# Allegro board 8880F5-0824_updates.brd (continued)
## Routing (per net, layer and track width the routed paths; a pad name or vN(x,y) marks a point on that pad's centre or on a via; arc(x,y) is an arc through that point) (continued)
; SITE2.G2 329.33,241.81 ; SITE2.G2 328.85,241.33 ; D111.A12 394.51,373.38 ; D111.A12 393.7,374.19 ; D111.A12 392.89,373.38 ; D111.A12 393.7,372.57 ; D318.A16 198.83,66.04 ; D318.A16 197.41,66.04 ; D318.A16 198.12,66.75 ; D318.A16 198.12,65.33 ; 124.46,95.71 D129.A16 ; D129.A16 124.46,97.33 ; D129.A16 125.27,96.52 ; D129.A16 123.65,96.52 ; 410.77,88.9 D305.B13 ; D305.B13 412.19,88.9 ; D305.B13 411.48,88.19 ; D305.B13 411.48,89.61 ; 240.49,342.9 CSDPS425.B14 ; CSDPS425.B14 242.11,342.9 ; CSDPS425.B14 241.3,342.09 ; CSDPS425.B14 241.3,343.71 ; 177.8,65.33 D318.A8 ; D318.A8 178.51,66.04 ; D318.A8 177.09,66.04 ; D318.A8 177.8,66.75 ; 185.42,380.19 D431.B7 ; D431.B7 184.61,381 ; D431.B7 186.23,381 ; D431.B7 185.42,381.81 ; D128.A15 48.26,33.83 ; D128.A15 48.26,32.21 ; D128.A15 49.07,33.02 ; D128.A15 47.45,33.02 ; D108.B15 416.56,38.91 ; D108.B15 415.75,38.1 ; D108.B15 416.56,37.29 ; D108.B15 417.37,38.1 ; CSDPS425.C5 264.16,341.17 ; CSDPS425.C5 264.16,339.55 ; CSDPS425.C5 263.35,340.36 ; CSDPS425.C5 264.97,340.36 ; 159.21,370.84 D231.B17 ; D231.B17 160.02,370.03 ; D231.B17 160.02,371.65 ; D231.B17 160.83,370.84 ; D431.A17 160.83,386.08 ; D431.A17 160.02,386.89 ; D431.A17 160.02,385.27 ; D431.A17 159.21,386.08 ; D102.B5 318.31,78.74 ; D102.B5 317.5,79.55 ; D102.B5 316.69,78.74 ; D102.B5 317.5,77.93 ; 401.32,390.35 D112.B9 ; D112.B9 402.13,391.16 ; D112.B9 400.51,391.16 ; D112.B9 401.32,391.97 ; 174.45,370.84 D231.B11 ; D231.B11 175.26,371.65 ; D231.B11 176.07,370.84 ; D231.B11 175.26,370.03 ; 110.95,78.74 D130.B11 ; D130.B11 112.57,78.74 ; D130.B11 111.76,79.55 ; D130.B11 111.76,77.93 ; 105.87,33.02 D132.A9 ; D132.A9 106.68,32.21 ; D132.A9 107.49,33.02 ; D132.A9 106.68,33.83 ; 248.21,68.58 D322.B7 ; D322.B7 249.63,68.58 ; D322.B7 248.92,67.87 ; D322.B7 248.92,69.29 ; 332.74,37.29 D104.B11 ; D104.B11 333.55,38.1 ; D104.B11 332.74,38.91 ; D104.B11 331.93,38.1 ; 386.08,329.39 D109.B15 ; D109.B15 385.27,330.2 ; D109.B15 386.08,331.01 ; D109.B15 386.89,330.2 ; D112.B7 407.21,391.16 ; D112.B7 406.4,390.35 ; D112.B7 405.59,391.16 ; D112.B7 406.4,391.97 ; 194.77,386.08 D431.A3 ; D431.A3 195.58,386.89 ; D431.A3 195.58,385.27 ; D431.A3 196.39,386.08 ; 334.47,388.62 D116.B6 ; D116.B6 336.09,388.62 ; D116.B6 335.28,389.43 ; D116.B6 335.28,387.81 ; D130.A2 88.9,77.01 ; D130.A2 88.9,75.39 ; D130.A2 88.09,76.2 ; D130.A2 89.71,76.2 ; 306.53,78.74 D102.B1 ; D102.B1 307.34,79.55 ; D102.B1 307.34,77.93 ; D102.B1 308.15,78.74 ; 307.34,83.11 D301.A1 ; D301.A1 308.05,83.82 ; D301.A1 307.34,84.53 ; D301.A1 306.63,83.82 ; D113.A4 341.17,332.74 ; D113.A4 340.36,333.55 ; D113.A4 339.55,332.74 ; D113.A4 340.36,331.93 ; 264.16,77.93 D122.B13 ; D122.B13 264.97,78.74 ; D122.B13 264.16,79.55 ; D122.B13 263.35,78.74 ; D109.A9 401.32,336.09 ; D109.A9 402.13,335.28 ; D109.A9 400.51,335.28 ; D109.A9 401.32,334.47 ; D129.B3 92.25,99.06 ; D129.B3 91.44,98.25 ; D129.B3 90.63,99.06 ; D129.B3 91.44,99.87 ; 253.33,180.85 SITE3.G6 ; SITE3.G6 253.81,181.33 ; SITE3.G6 252.85,181.33 ; SITE3.G6 253.33,181.81 ; 421.64,390.35 D112.B1 ; D112.B1 421.64,391.97 ; D112.B1 422.45,391.16 ; D112.B1 420.83,391.16 ; 261.62,60.15 D123.B12 ; D123.B12 260.81,60.96 ; D123.B12 262.43,60.96 ; D123.B12 261.62,61.77 ; 179.53,78.74 D118.B9 ; D118.B9 180.34,77.93 ; D118.B9 180.34,79.55 ; D118.B9 181.15,78.74 ; D321.B9 254,89.61 ; D321.B9 253.29,88.9 ; D321.B9 254,88.19 ; D321.B9 254.71,88.9 ; D104.B8 325.12,41.45 ; D104.B8 324.31,40.64 ; D104.B8 325.12,39.83 ; D104.B8 325.93,40.64 ; D123.A11 259.89,53.34 ; D123.A11 259.08,52.53 ; D123.A11 259.08,54.15 ; D123.A11 258.27,53.34 ; D321.B6 246.38,92.15 ; D321.B6 246.38,90.73 ; D321.B6 245.67,91.44 ; D321.B6 247.09,91.44 ; D127.A1 12.7,54.15 ; D127.A1 12.7,52.53 ; D127.A1 13.51,53.34 ; D127.A1 11.89,53.34 ; 406.4,62.79 D306.A11 ; D306.A11 405.69,63.5 ; D306.A11 407.11,63.5 ; D306.A11 406.4,64.21 ; D112.A12 393.7,394.51 ; D112.A12 394.51,393.7 ; D112.A12 393.7,392.89 ; D112.A12 392.89,393.7 ; D132.A14 119.38,36.37 ; D132.A14 119.38,34.75 ; D132.A14 120.19,35.56 ; D132.A14 118.57,35.56 ; D127.A16 50.8,56.69 ; D127.A16 50.8,55.07 ; D127.A16 51.61,55.88 ; D127.A16 49.99,55.88 ; 382.73,353.06 D110.A16 ; D110.A16 383.54,352.25 ; D110.A16 384.35,353.06 ; D110.A16 383.54,353.87 ; D111.A15 386.08,376.73 ; D111.A15 385.27,375.92 ; D111.A15 386.08,375.11 ; D111.A15 386.89,375.92 ; D120.B13 191.31,38.1 ; D120.B13 189.69,38.1 ; D120.B13 190.5,38.91 ; D120.B13 190.5,37.29 ; D110.B15 386.89,350.52 ; D110.B15 386.08,351.33 ; D110.B15 385.27,350.52 ; D110.B15 386.08,349.71 ; 386.08,83.11 D305.A3 ; D305.A3 386.79,83.82 ; D305.A3 385.37,83.82 ; D305.A3 386.08,84.53 ; 111.76,57.61 D131.B11 ; D131.B11 110.95,58.42 ; D131.B11 111.76,59.23 ; D131.B11 112.57,58.42 ; 19.51,81.28 D126.B4 ; D126.B4 20.32,80.47 ; D126.B4 20.32,82.09 ; D126.B4 21.13,81.28 ; D301.A2 309.88,87.07 ; D301.A2 310.59,86.36 ; D301.A2 309.17,86.36 ; D301.A2 309.88,85.65 ; 177.8,34.75 D120.A8 ; D120.A8 177.8,36.37 ; D120.A8 178.61,35.56 ; D120.A8 176.99,35.56 ; CSDPS425.B4 266.7,343.71 ; CSDPS425.B4 266.7,342.09 ; CSDPS425.B4 265.89,342.9 ; CSDPS425.B4 267.51,342.9 ; D102.B4 314.96,82.09 ; D102.B4 314.96,80.47 ; D102.B4 314.15,81.28 ; D102.B4 315.77,81.28 ; 332.74,334.47 D113.A7 ; D113.A7 331.93,335.28 ; D113.A7 333.55,335.28 ; D113.A7 332.74,336.09 ; 86.36,98.25 D129.B1 ; D129.B1 86.36,99.87 ; D129.B1 85.55,99.06 ; D129.B1 87.17,99.06 ; D111.A1 421.64,376.73 ; D111.A1 420.83,375.92 ; D111.A1 422.45,375.92 ; D111.A1 421.64,375.11 ; 248.33,180.85 SITE3.G1 ; SITE3.G1 248.33,181.81 ; SITE3.G1 247.85,181.33 ; SITE3.G1 248.81,181.33 ; 116.84,52.53 D131.A13 ; D131.A13 117.65,53.34 ; D131.A13 116.84,54.15 ; D131.A13 116.03,53.34 ; 266.7,39.83 D124.B14 ; D124.B14 265.89,40.64 ; D124.B14 266.7,41.45 ; D124.B14 267.51,40.64 ; 98.25,35.56 D132.A6 ; D132.A6 99.06,36.37 ; D132.A6 99.87,35.56 ; D132.A6 99.06,34.75 ; 398.78,331.93 D109.A10 ; D109.A10 399.59,332.74 ; D109.A10 398.78,333.55 ; D109.A10 397.97,332.74 ; 263.35,58.42 D123.B13 ; D123.B13 264.97,58.42 ; D123.B13 264.16,59.23 ; D123.B13 264.16,57.61 ; D102.A10 330.2,77.01 ; D102.A10 330.2,75.39 ; D102.A10 331.01,76.2 ; D102.A10 329.39,76.2 ; 314.96,392.89 D116.A14 ; D116.A14 314.96,394.51 ; D116.A14 314.15,393.7 ; D116.A14 315.77,393.7 ; D317.A7 175.26,84.53 ; D317.A7 174.55,83.82 ; D317.A7 175.26,83.11 ; D317.A7 175.97,83.82 ; 34.75,81.28 D126.B10 ; D126.B10 35.56,82.09 ; D126.B10 36.37,81.28 ; D126.B10 35.56,80.47 ; D110.A6 408.94,353.87 ; D110.A6 408.13,353.06 ; D110.A6 409.75,353.06 ; D110.A6 408.94,352.25 ; 335.28,70.41 D302.B12 ; D302.B12 334.57,71.12 ; D302.B12 335.28,71.83 ; D302.B12 335.99,71.12 ; 236.22,90.73 D321.B2 ; D321.B2 236.22,92.15 ; D321.B2 236.93,91.44 ; D321.B2 235.51,91.44 ; D112.B4 414.02,389.43 ; D112.B4 413.21,388.62 ; D112.B4 414.83,388.62 ; D112.B4 414.02,387.81 ; CSDPS429.B4 193.85,342.9 ; CSDPS429.B4 193.04,342.09 ; CSDPS429.B4 192.23,342.9 ; CSDPS429.B4 193.04,343.71 ; 167.64,382.73 D431.A14 ; D431.A14 166.83,383.54 ; D431.A14 167.64,384.35 ; D431.A14 168.45,383.54 ; 393.7,80.47 D106.B6 ; D106.B6 394.51,81.28 ; D106.B6 393.7,82.09 ; D106.B6 392.89,81.28 ; D112.A5 411.48,397.05 ; D112.A5 412.29,396.24 ; D112.A5 410.67,396.24 ; D112.A5 411.48,395.43 ; D104.B3 312.42,38.91 ; D104.B3 312.42,37.29 ; D104.B3 311.61,38.1 ; D104.B3 313.23,38.1 ; D125.B11 38.1,99.87 ; D125.B11 37.29,99.06 ; D125.B11 38.1,98.25 ; D125.B11 38.91,99.06 ; D113.A10 325.12,333.55 ; D113.A10 325.93,332.74 ; D113.A10 325.12,331.93 ; D113.A10 324.31,332.74 ; D115.B3 343.71,370.84 ; D115.B3 342.9,370.03 ; D115.B3 342.09,370.84 ; D115.B3 342.9,371.65 ; 312.42,395.43 D116.A15 ; D116.A15 311.61,396.24 ; D116.A15 312.42,397.05 ; D116.A15 313.23,396.24 ; 408.23,66.04 D306.A12 ; D306.A12 409.65,66.04 ; D306.A12 408.94,66.75 ; D306.A12 408.94,65.33 ; D118.B14 193.04,82.09 ; D118.B14 192.23,81.28 ; D118.B14 193.04,80.47 ; D118.B14 193.85,81.28 ; 340.36,75.39 D102.A14 ; D102.A14 340.36,77.01 ; D102.A14 341.17,76.2 ; D102.A14 339.55,76.2 ; 410.67,33.02 D108.A13 ; D108.A13 412.29,33.02 ; D108.A13 411.48,32.21 ; D108.A13 411.48,33.83 ; D126.B15 49.07,78.74 ; D126.B15 47.45,78.74 ; D126.B15 48.26,79.55 ; D126.B15 48.26,77.93 ; D114.A15 313.23,355.6 ; D114.A15 311.61,355.6 ; D114.A15 312.42,354.79 ; D114.A15 312.42,356.41 ; D128.B6 25.4,41.45 ; D128.B6 26.21,40.64 ; D128.B6 24.59,40.64 ; D128.B6 25.4,39.83 ; 243.84,37.29 D124.B5 ; D124.B5 243.03,38.1 ; D124.B5 243.84,38.91 ; D124.B5 244.65,38.1 ; 309.07,332.74 D113.A16 ; D113.A16 309.88,331.93 ; D113.A16 310.69,332.74 ; D113.A16 309.88,333.55 ; D109.B13 391.97,330.2 ; D109.B13 390.35,330.2 ; D109.B13 391.16,331.01 ; D109.B13 391.16,329.39 ; D103.A8 325.93,55.88 ; D103.A8 325.12,55.07 ; D103.A8 325.12,56.69 ; D103.A8 324.31,55.88 ; D127.A6 26.21,55.88 ; D127.A6 25.4,56.69 ; D127.A6 24.59,55.88 ; D127.A6 25.4,55.07 ; 161.85,71.12 D318.B2 ; D318.B2 162.56,71.83 ; D318.B2 163.27,71.12 ; D318.B2 162.56,70.41 ; 247.85,247.93 SITE1.G7 ; SITE1.G7 248.81,247.93 ; SITE1.G7 248.33,248.41 ; SITE1.G7 248.33,247.45 ; D120.A3 165.1,33.83 ; D120.A3 164.29,33.02 ; D120.A3 165.1,32.21 ; D120.A3 165.91,33.02 ; D115.B12 320.04,369.11 ; D115.B12 320.04,367.49 ; D115.B12 319.23,368.3 ; D115.B12 320.85,368.3 ; D115.B5 337.82,371.65 ; D115.B5 338.63,370.84 ; D115.B5 337.82,370.03 ; D115.B5 337.01,370.84 ; 386.08,354.79 D110.A15 ; D110.A15 386.08,356.41 ; D110.A15 386.89,355.6 ; D110.A15 385.27,355.6 ; 403.15,71.12 D306.B10 ; D306.B10 403.86,70.41 ; D306.B10 403.86,71.83 ; D306.B10 404.57,71.12 ; DPS3.C01 233.68,19.86 ; DPS3.C01 232.87,19.05 ; DPS3.C01 234.49,19.05 ; DPS3.C01 233.68,18.24 ; D102.A16 345.44,77.01 ; D102.A16 346.25,76.2 ; D102.A16 344.63,76.2 ; D102.A16 345.44,75.39 ; D128.B3 17.78,38.91 ; D128.B3 17.78,37.29 ; D128.B3 18.59,38.1 ; D128.B3 16.97,38.1 ; 342.9,375.11 D115.A3 ; D115.A3 343.71,375.92 ; D115.A3 342.09,375.92 ; D115.A3 342.9,376.73 ; D108.B12 408.94,41.45 ; D108.B12 408.94,39.83 ; D108.B12 409.75,40.64 ; D108.B12 408.13,40.64 ; SITE3.G20 252.63,186.91 ; SITE3.G20 253.11,186.43 ; SITE3.G20 252.63,185.95 ; SITE3.G20 252.15,186.43 ; 406.4,375.11 D111.A7 ; D111.A7 407.21,375.92 ; D111.A7 406.4,376.73 ; D111.A7 405.59,375.92 ; D317.B9 180.34,89.61 ; D317.B9 181.05,88.9 ; D317.B9 180.34,88.19 ; D317.B9 179.63,88.9 ; 311.61,33.02 D104.A3 ; D104.A3 312.42,33.83 ; D104.A3 312.42,32.21 ; D104.A3 313.23,33.02 ; 235.41,35.56 D124.A2 ; D124.A2 236.22,36.37 ; D124.A2 236.22,34.75 ; D124.A2 237.03,35.56 ; 386.08,57.61 D107.B3 ; D107.B3 386.89,58.42 ; D107.B3 386.08,59.23 ; D107.B3 385.27,58.42 ; 393.7,65.33 D306.A6 ; D306.A6 392.99,66.04 ; D306.A6 394.41,66.04 ; D306.A6 393.7,66.75 ; 382.73,55.88 D107.A2 ; D107.A2 384.35,55.88 ; D107.A2 383.54,55.07 ; D107.A2 383.54,56.69 ; 419.1,331.93 D109.A2 ; D109.A2 419.91,332.74 ; D109.A2 419.1,333.55 ; D109.A2 418.29,332.74 ; 406.4,52.53 D107.A11 ; D107.A11 407.21,53.34 ; D107.A11 406.4,54.15 ; D107.A11 405.59,53.34 ; D123.B15 269.24,59.23 ; D123.B15 268.43,58.42 ; D123.B15 269.24,57.61 ; D123.B15 270.05,58.42 ; CSDPS225.C1 274.32,331.01 ; CSDPS225.C1 274.32,329.39 ; CSDPS225.C1 275.13,330.2 ; CSDPS225.C1 273.51,330.2 ; D118.A13 191.31,73.66 ; D118.A13 190.5,72.85 ; D118.A13 190.5,74.47 ; D118.A13 189.69,73.66 ; 40.64,39.83 D128.B12 ; D128.B12 41.45,40.64 ; D128.B12 39.83,40.64 ; D128.B12 40.64,41.45 ; D124.A4 242.11,35.56 ; D124.A4 240.49,35.56 ; D124.A4 241.3,36.37 ; D124.A4 241.3,34.75 ; 243.03,53.34 D123.A5 ; D123.A5 243.84,54.15 ; D123.A5 244.65,53.34 ; D123.A5 243.84,52.53 ; D119.A4 168.45,55.88 ; D119.A4 166.83,55.88 ; D119.A4 167.64,56.69 ; D119.A4 167.64,55.07 ; D103.B9 327.66,59.23 ; D103.B9 326.85,58.42 ; D103.B9 328.47,58.42 ; D103.B9 327.66,57.61 ; D124.B8 252.27,40.64 ; D124.B8 250.65,40.64 ; D124.B8 251.46,41.45 ; D124.B8 251.46,39.83 ; 42.37,73.66 D126.A13 ; D126.A13 43.18,74.47 ; D126.A13 43.99,73.66 ; D126.A13 43.18,72.85 ; D120.A6 173.53,35.56 ; D120.A6 171.91,35.56 ; D120.A6 172.72,34.75 ; D120.A6 172.72,36.37 ; 400.51,330.2 D109.B9 ; D109.B9 402.13,330.2 ; D109.B9 401.32,331.01 ; D109.B9 401.32,329.39 ; 44.91,81.28 D126.B14 ; D126.B14 46.53,81.28 ; D126.B14 45.72,82.09 ; D126.B14 45.72,80.47 ; 398.78,60.15 D107.B8 ; D107.B8 399.59,60.96 ; D107.B8 397.97,60.96 ; D107.B8 398.78,61.77 ; 415.75,19.05 DPS1.C15 ; DPS1.C15 416.56,18.24 ; DPS1.C15 417.37,19.05 ; DPS1.C15 416.56,19.86 ; D123.A1 234.49,53.34 ; D123.A1 233.68,54.15 ; D123.A1 232.87,53.34 ; D123.A1 233.68,52.53 ; 414.02,90.73 D305.B14 ; D305.B14 414.73,91.44 ; D305.B14 414.02,92.15 ; D305.B14 413.31,91.44 ; 309.07,55.88 D103.A2 ; D103.A2 309.88,56.69 ; D103.A2 310.69,55.88 ; D103.A2 309.88,55.07 ; 328.33,187.45 SITE4.G7 ; SITE4.G7 328.33,188.41 ; SITE4.G7 327.85,187.93 ; SITE4.G7 328.81,187.93 ; 198.12,90.73 D317.B16 ; D317.B16 198.12,92.15 ; D317.B16 198.83,91.44 ; D317.B16 197.41,91.44 ; D302.B4 315.67,71.12 ; D302.B4 314.96,71.83 ; D302.B4 314.25,71.12 ; D302.B4 314.96,70.41 ; 321.77,370.84 D115.B11 ; D115.B11 322.58,371.65 ; D115.B11 322.58,370.03 ; D115.B11 323.39,370.84 ; D123.A9 254,54.15 ; D123.A9 253.19,53.34 ; D123.A9 254.81,53.34 ; D123.A9 254,52.53 ; D103.A4 315.77,55.88 ; D103.A4 314.15,55.88 ; D103.A4 314.96,56.69 ; D103.A4 314.96,55.07 ; D123.A15 269.24,54.15 ; D123.A15 270.05,53.34 ; D123.A15 268.43,53.34 ; D118.A8 178.61,76.2 ; D118.A8 177.8,77.01 ; D118.A8 177.8,75.39 ; D118.A8 176.99,76.2 ; D231.A4 193.85,373.38 ; D231.A4 192.23,373.38 ; D231.A4 193.04,372.57 ; D231.A4 193.04,374.19 ; D113.A9 327.66,336.09 ; D113.A9 326.85,335.28 ; D113.A9 327.66,334.47 ; D113.A9 328.47,335.28 ; D231.B16 162.56,369.11 ; D231.B16 163.37,368.3 ; D231.B16 162.56,367.49 ; D231.B16 161.75,368.3 ; 418.29,81.28 D106.B16 ; D106.B16 419.1,80.47 ; D106.B16 419.1,82.09 ; D106.B16 419.91,81.28 ; DPS8.C05 190.5,411.02 ; DPS8.C05 191.31,410.21 ; DPS8.C05 190.5,409.4 ; DPS8.C05 189.69,410.21 ; 259.08,13.16 DPS3.A11 ; DPS3.A11 259.08,14.78 ; DPS3.A11 259.89,13.97 ; DPS3.A11 258.27,13.97 ; 170.18,370.03 D231.B13 ; D231.B13 170.18,371.65 ; D231.B13 169.37,370.84 ; D231.B13 170.99,370.84 ; SITE3.G12 253.33,188.41 ; SITE3.G12 253.33,187.45 ; SITE3.G12 253.81,187.93 ; SITE3.G12 252.85,187.93 ; 403.86,372.57 D111.A8 ; D111.A8 404.67,373.38 ; D111.A8 403.05,373.38 ; D111.A8 403.86,374.19 ; CSDPS425.B12 246.38,343.71 ; CSDPS425.B12 247.19,342.9 ; CSDPS425.B12 245.57,342.9 ; CSDPS425.B12 246.38,342.09 ; D113.B4 341.17,327.66 ; D113.B4 339.55,327.66 ; D113.B4 340.36,328.47 ; D113.B4 340.36,326.85 ; DPS8.A15 165.1,416.1 ; DPS8.A15 164.29,415.29 ; DPS8.A15 165.91,415.29 ; DPS8.A15 165.1,414.48 ; 381,37.29 D108.B1 ; D108.B1 381.81,38.1 ; D108.B1 381,38.91 ; D108.B1 380.19,38.1 ; 332.74,32.21 D104.A11 ; D104.A11 331.93,33.02 ; D104.A11 333.55,33.02 ; D104.A11 332.74,33.83 ; D321.B11 259.08,89.61 ; D321.B11 259.79,88.9 ; D321.B11 258.37,88.9 ; D321.B11 259.08,88.19 ; D126.A9 33.02,74.47 ; D126.A9 33.83,73.66 ; D126.A9 32.21,73.66 ; D126.A9 33.02,72.85 ; D305.A8 398.78,87.07 ; D305.A8 399.49,86.36 ; D305.A8 398.78,85.65 ; D305.A8 398.07,86.36 ; DPS3.C05 244.65,19.05 ; DPS3.C05 243.84,18.24 ; DPS3.C05 243.84,19.86 ; DPS3.C05 243.03,19.05 ; 100.79,38.1 D132.B7 ; D132.B7 101.6,38.91 ; D132.B7 101.6,37.29 ; D132.B7 102.41,38.1 ; D122.B14 267.51,81.28 ; D122.B14 266.7,80.47 ; D122.B14 265.89,81.28 ; D122.B14 266.7,82.09 ; D106.A2 384.35,76.2 ; D106.A2 383.54,77.01 ; D106.A2 382.73,76.2 ; D106.A2 383.54,75.39 ; D306.A2 383.54,66.75 ; D306.A2 383.54,65.33 ; D306.A2 384.25,66.04 ; D306.A2 382.83,66.04 ; 347.98,349.71 D114.B1 ; D114.B1 347.17,350.52 ; D114.B1 347.98,351.33 ; D114.B1 348.79,350.52 ; 320.04,372.57 D115.A12 ; D115.A12 319.23,373.38 ; D115.A12 320.04,374.19 ; D115.A12 320.85,373.38 ; D125.B12 40.64,102.41 ; D125.B12 39.83,101.6 ; D125.B12 40.64,100.79 ; D125.B12 41.45,101.6 ; SITE4.G20 332.63,186.91 ; SITE4.G20 333.11,186.43 ; SITE4.G20 332.63,185.95 ; SITE4.G20 332.15,186.43 ; D120.A10 182.88,36.37 ; D120.A10 182.07,35.56 ; D120.A10 182.88,34.75 ; D120.A10 183.69,35.56 ; D124.A10 257.35,35.56 ; D124.A10 256.54,34.75 ; D124.A10 256.54,36.37 ; D124.A10 255.73,35.56 ; 165.1,375.11 D231.A15 ; D231.A15 165.1,376.73 ; D231.A15 165.91,375.92 ; D231.A15 164.29,375.92 ; D108.B7 396.24,38.91 ; D108.B7 395.43,38.1 ; D108.B7 397.05,38.1 ; D108.B7 396.24,37.29 ; D318.B7 175.26,69.29 ; D318.B7 175.26,67.87 ; D318.B7 174.55,68.58 ; D318.B7 175.97,68.58 ; 114.3,100.79 D129.B12 ; D129.B12 114.3,102.41 ; D129.B12 115.11,101.6 ; D129.B12 113.49,101.6 ; CSDPS225.C13 243.84,331.01 ; CSDPS225.C13 243.84,329.39 ; CSDPS225.C13 243.03,330.2 ; CSDPS225.C13 244.65,330.2 ; 413.21,35.56 D108.A14 ; D108.A14 414.83,35.56 ; D108.A14 414.02,34.75 ; D108.A14 414.02,36.37 ; D115.A16 309.88,374.19 ; D115.A16 309.88,372.57 ; D115.A16 309.07,373.38 ; D115.A16 310.69,373.38 ; 14.43,76.2 D126.A2 ; D126.A2 15.24,77.01 ; D126.A2 15.24,75.39 ; D126.A2 16.05,76.2 ; 187.96,331.93 CSDPS229.B6 ; CSDPS229.B6 187.15,332.74 ; CSDPS229.B6 187.96,333.55 ; CSDPS229.B6 188.77,332.74 ; D107.B2 384.35,60.96 ; D107.B2 383.54,60.15 ; D107.B2 382.73,60.96 ; 179.53,38.1 D120.B9 ; D120.B9 180.34,38.91 ; D120.B9 181.15,38.1 ; D120.B9 180.34,37.29 ; 174.45,58.42 D119.B7 ; D119.B7 175.26,57.61 ; D119.B7 176.07,58.42 ; D119.B7 175.26,59.23 ; SITE1.G9 250.81,247.93 ; SITE1.G9 250.33,247.45 ; SITE1.G9 250.33,248.41 ; SITE1.G9 249.85,247.93 ; 414.02,392.89 D112.A4 ; D112.A4 414.02,394.51 ; D112.A4 413.21,393.7 ; D112.A4 414.83,393.7 ; D102.A1 307.34,74.47 ; D102.A1 308.15,73.66 ; D102.A1 306.53,73.66 ; D102.A1 307.34,72.85 ; 337.01,410.21 DPS2.C05 ; DPS2.C05 338.63,410.21 ; DPS2.C05 337.82,411.02 ; DPS2.C05 337.82,409.4 ; 16.97,53.34 D127.A3 ; D127.A3 18.59,53.34 ; D127.A3 17.78,54.15 ; D127.A3 17.78,52.53 ; D128.A5 23.67,33.02 ; D128.A5 22.86,32.21 ; D128.A5 22.05,33.02 ; D128.A5 22.86,33.83 ; D103.A5 318.31,53.34 ; D103.A5 316.69,53.34 ; D103.A5 317.5,52.53 ; D103.A5 317.5,54.15 ; D318.B14 193.04,71.83 ; D318.B14 192.33,71.12 ; D318.B14 193.04,70.41 ; D318.B14 193.75,71.12 ; D113.B7 333.55,330.2 ; D113.B7 331.93,330.2 ; D113.B7 332.74,331.01 ; D113.B7 332.74,329.39 ; D114.A10 325.12,353.87 ; D114.A10 325.93,353.06 ; D114.A10 325.12,352.25 ; D114.A10 324.31,353.06 ; 185.42,57.61 D119.B11 ; D119.B11 186.23,58.42 ; D119.B11 185.42,59.23 ; D119.B11 184.61,58.42 ; D321.A14 266.7,87.07 ; D321.A14 267.41,86.36 ; D321.A14 266.7,85.65 ; D321.A14 265.99,86.36 ; D127.B5 22.86,59.23 ; D127.B5 23.67,58.42 ; D127.B5 22.05,58.42 ; D127.B5 22.86,57.61 ; 232.87,13.97 DPS3.A01 ; DPS3.A01 233.68,14.78 ; DPS3.A01 234.49,13.97 ; DPS3.A01 233.68,13.16 ; 398.78,55.07 D107.A8 ; D107.A8 398.78,56.69 ; D107.A8 397.97,55.88 ; D107.A8 399.59,55.88 ; D302.A14 340.36,66.75 ; D302.A14 341.07,66.04 ; D302.A14 339.65,66.04 ; D302.A14 340.36,65.33 ; 167.64,60.15 D119.B4 ; D119.B4 166.83,60.96 ; D119.B4 168.45,60.96 ; D119.B4 167.64,61.77 ; 161.85,86.36 D317.A2 ; D317.A2 162.56,87.07 ; D317.A2 163.27,86.36 ; D317.A2 162.56,85.65 ; 238.76,339.55 CSDPS425.C15 ; CSDPS425.C15 239.57,340.36 ; CSDPS425.C15 238.76,341.17 ; CSDPS425.C15 237.95,340.36 ; 25.4,95.71 D125.A6 ; D125.A6 24.59,96.52 ; D125.A6 25.4,97.33 ; D125.A6 26.21,96.52 ; 192.33,66.04 D318.A14 ; D318.A14 193.04,65.33 ; D318.A14 193.04,66.75 ; D318.A14 193.75,66.04 ; 269.24,18.24 DPS3.C15 ; DPS3.C15 268.43,19.05 ; DPS3.C15 270.05,19.05 ; DPS3.C15 269.24,19.86 ; 309.07,393.7 D116.A16 ; D116.A16 309.88,394.51 ; D116.A16 309.88,392.89 ; D116.A16 310.69,393.7 ; 256.54,39.83 D124.B10 ; D124.B10 255.73,40.64 ; D124.B10 256.54,41.45 ; D124.B10 257.35,40.64 ; D113.B9 327.66,331.01 ; D113.B9 327.66,329.39 ; D113.B9 328.47,330.2 ; D113.B9 326.85,330.2 ; 383.54,80.47 D106.B2 ; D106.B2 383.54,82.09 ; D106.B2 384.35,81.28 ; D106.B2 382.73,81.28 ; 328.55,246.43 SITE2.G17 ; SITE2.G17 329.03,245.95 ; SITE2.G17 329.03,246.91 ; SITE2.G17 329.51,246.43 ; D120.A16 198.12,36.37 ; D120.A16 198.93,35.56 ; D120.A16 197.31,35.56 ; D120.A16 198.12,34.75 ; D302.B1 307.34,69.29 ; D302.B1 307.34,67.87 ; D302.B1 308.05,68.58 ; D302.B1 306.63,68.58 ; D120.A9 180.34,33.83 ; D120.A9 180.34,32.21 ; D120.A9 179.53,33.02 ; D120.A9 181.15,33.02 ; D306.B3 386.79,68.58 ; D306.B3 386.08,67.87 ; D306.B3 386.08,69.29 ; D306.B3 385.37,68.58 ; 331.33,187.45 SITE4.G10 ; SITE4.G10 331.81,187.93 ; SITE4.G10 331.33,188.41 ; SITE4.G10 330.85,187.93 ; D106.A14 414.02,77.01 ; D106.A14 414.83,76.2 ; D106.A14 414.02,75.39 ; D106.A14 413.21,76.2 ; CSDPS229.C9 180.34,331.01 ; CSDPS229.C9 179.53,330.2 ; CSDPS229.C9 181.15,330.2 ; CSDPS229.C9 180.34,329.39 ; 408.13,332.74 D109.A6 ; D109.A6 409.75,332.74 ; D109.A6 408.94,333.55 ; D109.A6 408.94,331.93 ; 103.33,81.28 D130.B8 ; D130.B8 104.14,80.47 ; D130.B8 104.14,82.09 ; D130.B8 104.95,81.28 ; 386.08,395.43 D112.A15 ; D112.A15 386.89,396.24 ; D112.A15 386.08,397.05 ; D112.A15 385.27,396.24 ; D114.A11 322.58,356.41 ; D114.A11 321.77,355.6 ; D114.A11 323.39,355.6 ; D114.A11 322.58,354.79 ; 347.17,335.28 D113.A1 ; D113.A1 347.98,336.09 ; D113.A1 347.98,334.47 ; D113.A1 348.79,335.28 ; D103.A11 333.55,53.34 ; D103.A11 331.93,53.34 ; D103.A11 332.74,54.15 ; D103.A11 332.74,52.53 ; S1_I2C.4 70.61,209.98 ; S1_I2C.4 69.67,209.04 ; S1_I2C.4 70.61,208.1 ; S1_I2C.4 71.55,209.04 ; D108.B3 386.89,38.1 ; D108.B3 385.27,38.1 ; D108.B3 386.08,37.29 ; D108.B3 386.08,38.91 ; 123.65,35.56 D132.A16 ; D132.A16 124.46,36.37 ; D132.A16 125.27,35.56 ; D132.A16 124.46,34.75 ; D306.B14 414.73,71.12 ; D306.B14 414.02,70.41 ; D306.B14 413.31,71.12 ; D123.A3 239.57,53.34 ; D123.A3 238.76,52.53 ; D123.A3 238.76,54.15 ; D123.A3 237.95,53.34 ; D115.B14 314.96,369.11 ; D115.B14 314.96,367.49 ; D115.B14 314.15,368.3 ; D115.B14 315.77,368.3 ; 331.93,355.6 D114.A7 ; D114.A7 332.74,354.79 ; D114.A7 333.55,355.6 ; D114.A7 332.74,356.41 ; 195.58,339.55 CSDPS429.C3 ; CSDPS429.C3 196.39,340.36 ; CSDPS429.C3 194.77,340.36 ; CSDPS429.C3 195.58,341.17 ; 175.26,375.11 D231.A11 ; D231.A11 176.07,375.92 ; D231.A11 174.45,375.92 ; D231.A11 175.26,376.73 ; 340.36,39.83 D104.B14 ; D104.B14 340.36,41.45 ; D104.B14 339.55,40.64 ; D104.B14 341.17,40.64 ; 187.96,85.65 D317.A12 ; D317.A12 187.96,87.07 ; D317.A12 187.25,86.36 ; D317.A12 188.67,86.36 ; D107.A4 389.43,55.88 ; D107.A4 387.81,55.88 ; D107.A4 388.62,55.07 ; D107.A4 388.62,56.69 ; 347.98,354.79 D114.A1 ; D114.A1 347.17,355.6 ; D114.A1 348.79,355.6 ; D114.A1 347.98,356.41 ; D317.A14 193.75,86.36 ; D317.A14 192.33,86.36 ; D317.A14 193.04,87.07 ; D317.A14 193.04,85.65 ; 400.51,396.24 D112.A9 ; D112.A9 401.32,397.05 ; D112.A9 401.32,395.43 ; D112.A9 402.13,396.24 ; D125.B5 23.67,99.06 ; D125.B5 22.86,99.87 ; D125.B5 22.05,99.06 ; D125.B5 22.86,98.25 ; 335.28,80.47 D102.B12 ; D102.B12 335.28,82.09 ; D102.B12 334.47,81.28 ; D102.B12 336.09,81.28 ; D123.B10 256.54,61.77 ; D123.B10 257.35,60.96 ; D123.B10 255.73,60.96 ; D123.B10 256.54,60.15 ; SITE2.G8 329.33,248.41 ; SITE2.G8 329.33,247.45 ; SITE2.G8 328.85,247.93 ; SITE2.G8 329.81,247.93 ; D120.A1 160.02,33.83 ; D120.A1 159.21,33.02 ; D120.A1 160.02,32.21 ; D120.A1 160.83,33.02 ; D306.B6 394.41,71.12 ; D306.B6 393.7,70.41 ; D306.B6 392.99,71.12 ; SITE4.G18 330.71,186.43 ; SITE4.G18 329.75,186.43 ; SITE4.G18 330.23,186.91 ; SITE4.G18 330.23,185.95 ; D122.B4 241.3,82.09 ; D122.B4 242.11,81.28 ; D122.B4 240.49,81.28 ; D122.B4 241.3,80.47 ; D306.B2 384.25,71.12 ; D306.B2 383.54,70.41 ; D306.B2 382.83,71.12 ; SITE4.G16 333.11,182.83 ; SITE4.G16 332.63,183.31 ; SITE4.G16 332.15,182.83 ; SITE4.G16 332.63,182.35 ; 182.88,367.49 D231.B8 ; D231.B8 183.69,368.3 ; D231.B8 182.07,368.3 ; D231.B8 182.88,369.11 ; D123.A16 272.59,55.88 ; D123.A16 271.78,55.07 ; D123.A16 270.97,55.88 ; D123.A16 271.78,56.69 ; 327.66,32.21 D104.A9 ; D104.A9 328.47,33.02 ; D104.A9 326.85,33.02 ; D104.A9 327.66,33.83 ; 187.96,60.15 D119.B12 ; D119.B12 188.77,60.96 ; D119.B12 187.96,61.77 ; D119.B12 187.15,60.96 ; DPS1.A01 381,14.78 ; DPS1.A01 381,13.16 ; DPS1.A01 381.81,13.97 ; DPS1.A01 380.19,13.97 ; 314.15,388.62 D116.B14 ; D116.B14 314.96,387.81 ; D116.B14 314.96,389.43 ; D116.B14 315.77,388.62 ; SITE1.G3 250.33,241.81 ; SITE1.G3 250.33,240.85 ; SITE1.G3 249.85,241.33 ; SITE1.G3 250.81,241.33 ; 329.39,327.66 D113.B8 ; D113.B8 330.2,326.85 ; D113.B8 331.01,327.66 ; D113.B8 330.2,328.47 ; 406.4,88.19 D305.B11 ; D305.B11 405.69,88.9 ; D305.B11 406.4,89.61 ; D305.B11 407.11,88.9 ; 235.41,40.64 D124.B2 ; D124.B2 236.22,39.83 ; D124.B2 236.22,41.45 ; D124.B2 237.03,40.64 ; 159.21,73.66 D118.A1 ; D118.A1 160.02,72.85 ; D118.A1 160.83,73.66 ; D118.A1 160.02,74.47 ; D130.B7 102.41,78.74 ; D130.B7 101.6,77.93 ; D130.B7 100.79,78.74 ; D130.B7 101.6,79.55 ; 337.01,78.74 D102.B13 ; D102.B13 337.82,79.55 ; D102.B13 338.63,78.74 ; D102.B13 337.82,77.93 ; D109.A16 383.54,333.55 ; D109.A16 383.54,331.93 ; D109.A16 382.73,332.74 ; D109.A16 384.35,332.74 ; CSDPS429.C5 190.5,341.17 ; CSDPS429.C5 191.31,340.36 ; CSDPS429.C5 190.5,339.55 ; CSDPS429.C5 189.69,340.36 ; D131.A7 101.6,54.15 ; D131.A7 102.41,53.34 ; D131.A7 101.6,52.53 ; D131.A7 100.79,53.34 ; D108.B9 401.32,38.91 ; D108.B9 402.13,38.1 ; D108.B9 401.32,37.29 ; D108.B9 400.51,38.1 ; 256.54,70.41 D322.B10 ; D322.B10 257.25,71.12 ; D322.B10 255.83,71.12 ; D322.B10 256.54,71.83 ; 400.61,83.82 D305.A9 ; D305.A9 401.32,83.11 ; D305.A9 402.03,83.82 ; D305.A9 401.32,84.53 ; 395.43,73.66 D106.A7 ; D106.A7 397.05,73.66 ; D106.A7 396.24,74.47 ; D106.A7 396.24,72.85 ; D123.B2 237.03,60.96 ; D123.B2 236.22,60.15 ; D123.B2 236.22,61.77 ; D123.B2 235.41,60.96 ; 45.72,95.71 D125.A14 ; D125.A14 46.53,96.52 ; D125.A14 44.91,96.52 ; D125.A14 45.72,97.33 ; 167.64,75.39 D118.A4 ; D118.A4 166.83,76.2 ; D118.A4 167.64,77.01 ; D118.A4 168.45,76.2 ; 27.94,93.17 D125.A7 ; D125.A7 28.75,93.98 ; D125.A7 27.94,94.79 ; D125.A7 27.13,93.98 ; 390.35,350.52 D110.B13 ; D110.B13 391.16,349.71 ; D110.B13 391.16,351.33 ; D110.B13 391.97,350.52 ; D123.B5 243.84,59.23 ; D123.B5 243.03,58.42 ; D123.B5 244.65,58.42 ; D123.B5 243.84,57.61 ; D109.B7 406.4,331.01 ; D109.B7 406.4,329.39 ; D109.B7 407.21,330.2 ; D109.B7 405.59,330.2 ; 342.09,350.52 D114.B3 ; D114.B3 342.9,351.33 ; D114.B3 343.71,350.52 ; D114.B3 342.9,349.71 ; D109.B14 388.62,328.47 ; D109.B14 388.62,326.85 ; D109.B14 387.81,327.66 ; D109.B14 389.43,327.66 ; D110.B9 401.32,351.33 ; D110.B9 400.51,350.52 ; D110.B9 402.13,350.52 ; D110.B9 401.32,349.71 ; 406.4,334.47 D109.A7 ; D109.A7 405.59,335.28 ; D109.A7 407.21,335.28 ; D109.A7 406.4,336.09 ; 319.23,353.06 D114.A12 ; D114.A12 320.85,353.06 ; D114.A12 320.04,352.25 ; D114.A12 320.04,353.87 ; 332.74,390.35 D116.B7 ; D116.B7 332.74,391.97 ; D116.B7 331.93,391.16 ; D116.B7 333.55,391.16 ; D431.A5 191.31,386.08 ; D431.A5 189.69,386.08 ; D431.A5 190.5,386.89 ; D431.A5 190.5,385.27 ; D108.B8 399.59,40.64 ; D108.B8 398.78,41.45 ; D108.B8 397.97,40.64 ; D108.B8 398.78,39.83 ; D127.A4 20.32,56.69 ; D127.A4 20.32,55.07 ; D127.A4 21.13,55.88 ; D127.A4 19.51,55.88 ; 419.1,347.17 D110.B2 ; D110.B2 419.1,348.79 ; D110.B2 418.29,347.98 ; D110.B2 419.91,347.98 ; D302.A9 328.37,63.5 ; D302.A9 327.66,64.21 ; D302.A9 326.95,63.5 ; D302.A9 327.66,62.79 ; D113.B3 342.9,331.01 ; D113.B3 343.71,330.2 ; D113.B3 342.9,329.39 ; D113.B3 342.09,330.2 ; 397.97,327.66 D109.B10 ; D109.B10 398.78,326.85 ; D109.B10 399.59,327.66 ; D109.B10 398.78,328.47 ; 232.87,58.42 D123.B1 ; D123.B1 233.68,57.61 ; D123.B1 234.49,58.42 ; D123.B1 233.68,59.23 ; D321.A10 257.25,86.36 ; D321.A10 255.83,86.36 ; D321.A10 256.54,85.65 ; D321.A10 256.54,87.07 ; 390.35,375.92 D111.A13 ; D111.A13 391.97,375.92 ; D111.A13 391.16,376.73 ; D111.A13 391.16,375.11 ; 397.97,353.06 D110.A10 ; D110.A10 399.59,353.06 ; D110.A10 398.78,353.87 ; D110.A10 398.78,352.25 ; D113.A13 317.5,336.09 ; D113.A13 318.31,335.28 ; D113.A13 317.5,334.47 ; D113.A13 316.69,335.28 ; D305.B12 408.94,92.15 ; D305.B12 409.65,91.44 ; D305.B12 408.94,90.73 ; D305.B12 408.23,91.44 ; 109.22,34.75 D132.A10 ; D132.A10 110.03,35.56 ; D132.A10 109.22,36.37 ; D132.A10 108.41,35.56 ; 197.31,342.9 CSDPS429.B2 ; CSDPS429.B2 198.12,342.09 ; CSDPS429.B2 198.93,342.9 ; CSDPS429.B2 198.12,343.71 ; 170.18,339.55 CSDPS429.C13 ; CSDPS429.C13 169.37,340.36 ; CSDPS429.C13 170.18,341.17 ; CSDPS429.C13 170.99,340.36 ; 248.33,240.85 SITE1.G1 ; SITE1.G1 248.33,241.81 ; SITE1.G1 248.81,241.33 ; SITE1.G1 247.85,241.33 ; 410.77,83.82 D305.A13 ; D305.A13 411.48,84.53 ; D305.A13 411.48,83.11 ; D305.A13 412.19,83.82 ; D301.B7 323.29,88.9 ; D301.B7 322.58,88.19 ; D301.B7 322.58,89.61 ; D301.B7 321.87,88.9 ; D106.A10 404.67,76.2 ; D106.A10 403.86,75.39 ; D106.A10 403.05,76.2 ; D106.A10 403.86,77.01 ; D317.B15 195.58,89.61 ; D317.B15 194.87,88.9 ; D317.B15 196.29,88.9 ; D317.B15 195.58,88.19 ; D129.B14 119.38,102.41 ; D129.B14 118.57,101.6 ; D129.B14 120.19,101.6 ; D129.B14 119.38,100.79 ; D302.B10 330.2,71.83 ; D302.B10 329.49,71.12 ; D302.B10 330.91,71.12 ; D302.B10 330.2,70.41 ; 29.67,101.6 D125.B8 ; D125.B8 30.48,100.79 ; D125.B8 30.48,102.41 ; D125.B8 31.29,101.6 ; 255.73,55.88 D123.A10 ; D123.A10 256.54,55.07 ; D123.A10 257.35,55.88 ; D123.A10 256.54,56.69 ; SITE4.G17 329.03,186.91 ; SITE4.G17 329.03,185.95 ; SITE4.G17 328.55,186.43 ; SITE4.G17 329.51,186.43 ; D321.A7 249.63,83.82 ; D321.A7 248.92,83.11 ; D321.A7 248.21,83.82 ; D321.A7 248.92,84.53 ; 119.38,75.39 D130.A14 ; D130.A14 118.57,76.2 ; D130.A14 119.38,77.01 ; D130.A14 120.19,76.2 ; D318.A4 167.64,66.75 ; D318.A4 168.35,66.04 ; D318.A4 167.64,65.33 ; D318.A4 166.93,66.04 ; CSDPS229.C5 191.31,330.2 ; CSDPS229.C5 190.5,329.39 ; CSDPS229.C5 189.69,330.2 ; CSDPS229.C5 190.5,331.01 ; D127.A2 16.05,55.88 ; D127.A2 14.43,55.88 ; D127.A2 15.24,56.69 ; D127.A2 15.24,55.07 ; 271.78,75.39 D122.A16 ; D122.A16 270.97,76.2 ; D122.A16 272.59,76.2 ; D122.A16 271.78,77.01 ; 419.1,367.49 D111.B2 ; D111.B2 419.1,369.11 ; D111.B2 419.91,368.3 ; D111.B2 418.29,368.3 ; 312.42,370.03 D115.B15 ; D115.B15 311.61,370.84 ; D115.B15 313.23,370.84 ; D115.B15 312.42,371.65 ; 347.17,396.24 D116.A1 ; D116.A1 347.98,395.43 ; D116.A1 347.98,397.05 ; D116.A1 348.79,396.24 ; 391.16,13.16 DPS1.A05 ; DPS1.A05 391.16,14.78 ; DPS1.A05 390.35,13.97 ; DPS1.A05 391.97,13.97 ; 236.22,55.07 D123.A2 ; D123.A2 237.03,55.88 ; D123.A2 235.41,55.88 ; D123.A2 236.22,56.69 ; D104.B2 309.88,41.45 ; D104.B2 310.69,40.64 ; D104.B2 309.88,39.83 ; D104.B2 309.07,40.64 ; CSDPS225.B12 247.19,332.74 ; CSDPS225.B12 246.38,333.55 ; CSDPS225.B12 245.57,332.74 ; CSDPS225.B12 246.38,331.93 ; 90.63,33.02 D132.A3 ; D132.A3 92.25,33.02 ; D132.A3 91.44,32.21 ; D132.A3 91.44,33.83 ; 199.85,370.84 D231.B1 ; D231.B1 200.66,370.03 ; D231.B1 201.47,370.84 ; D231.B1 200.66,371.65 ; D115.B7 332.74,371.65 ; D115.B7 331.93,370.84 ; D115.B7 333.55,370.84 ; D115.B7 332.74,370.03 ; 331.85,187.93 SITE4.G11 ; SITE4.G11 332.33,187.45 ; SITE4.G11 332.81,187.93 ; SITE4.G11 332.33,188.41 ; D119.A3 165.91,53.34 ; D119.A3 165.1,54.15 ; D119.A3 164.29,53.34 ; D119.A3 165.1,52.53 ; D109.B2 419.1,328.47 ; D109.B2 418.29,327.66 ; D109.B2 419.1,326.85 ; D109.B2 419.91,327.66 ; 406.4,395.43 D112.A7 ; D112.A7 405.59,396.24 ; D112.A7 406.4,397.05 ; D112.A7 407.21,396.24 ; D131.B6 99.87,60.96 ; D131.B6 98.25,60.96 ; D131.B6 99.06,60.15 ; D131.B6 99.06,61.77 ; D118.B13 190.5,79.55 ; D118.B13 189.69,78.74 ; D118.B13 190.5,77.93 ; D118.B13 191.31,78.74 ; SITE4.G13 329.51,182.83 ; SITE4.G13 329.03,182.35 ; SITE4.G13 328.55,182.83 ; SITE4.G13 329.03,183.31 ; 16.97,78.74 D126.B3 ; D126.B3 17.78,79.55 ; D126.B3 18.59,78.74 ; D126.B3 17.78,77.93 ; 238.76,57.61 D123.B3 ; D123.B3 238.76,59.23 ; D123.B3 237.95,58.42 ; D123.B3 239.57,58.42 ; D111.B7 406.4,371.65 ; D111.B7 405.59,370.84 ; D111.B7 407.21,370.84 ; D111.B7 406.4,370.03 ; 393.7,34.75 D108.A6 ; D108.A6 394.51,35.56 ; D108.A6 392.89,35.56 ; D108.A6 393.7,36.37 ; 408.94,55.07 D107.A12 ; D107.A12 408.13,55.88 ; D107.A12 409.75,55.88 ; D107.A12 408.94,56.69 ; D116.B5 337.82,391.97 ; D116.B5 337.82,390.35 ; D116.B5 338.63,391.16 ; D116.B5 337.01,391.16 ; D305.A4 388.62,87.07 ; D305.A4 388.62,85.65 ; D305.A4 387.91,86.36 ; D305.A4 389.33,86.36 ; D231.A3 196.39,375.92 ; D231.A3 195.58,376.73 ; D231.A3 195.58,375.11 ; D231.A3 194.77,375.92 ; D119.B5 170.18,59.23 ; D119.B5 170.18,57.61 ; D119.B5 169.37,58.42 ; D119.B5 170.99,58.42 ; 93.98,60.15 D131.B4 ; D131.B4 94.79,60.96 ; D131.B4 93.17,60.96 ; D131.B4 93.98,61.77 ; D305.B6 394.41,91.44 ; D305.B6 393.7,92.15 ; D305.B6 392.99,91.44 ; D305.B6 393.7,90.73 ; 165.1,72.85 D118.A3 ; D118.A3 165.91,73.66 ; D118.A3 164.29,73.66 ; D118.A3 165.1,74.47 ; D110.A7 407.21,355.6 ; D110.A7 405.59,355.6 ; D110.A7 406.4,354.79 ; D110.A7 406.4,356.41 ; D110.A2 419.1,353.87 ; D110.A2 419.91,353.06 ; D110.A2 418.29,353.06 ; D110.A2 419.1,352.25 ; 266.7,75.39 D122.A14 ; D122.A14 265.89,76.2 ; D122.A14 266.7,77.01 ; D122.A14 267.51,76.2 ; D104.B12 336.09,40.64 ; D104.B12 335.28,41.45 ; D104.B12 334.47,40.64 ; D104.B12 335.28,39.83 ; 93.98,55.07 D131.A4 ; D131.A4 93.17,55.88 ; D131.A4 93.98,56.69 ; D131.A4 94.79,55.88 ; D132.B3 91.44,38.91 ; D132.B3 90.63,38.1 ; D132.B3 92.25,38.1 ; D132.B3 91.44,37.29 ; 396.24,334.47 D109.A11 ; D109.A11 397.05,335.28 ; D109.A11 395.43,335.28 ; D109.A11 396.24,336.09 ; D231.A6 188.77,373.38 ; D231.A6 187.96,372.57 ; D231.A6 187.96,374.19 ; D231.A6 187.15,373.38 ; D116.B12 320.04,389.43 ; D116.B12 320.04,387.81 ; D116.B12 319.23,388.62 ; D116.B12 320.85,388.62 ; 121.11,38.1 D132.B15 ; D132.B15 122.73,38.1 ; D132.B15 121.92,38.91 ; D132.B15 121.92,37.29 ; D130.A7 102.41,73.66 ; D130.A7 101.6,74.47 ; D130.A7 101.6,72.85 ; D130.A7 100.79,73.66 ; 265.89,60.96 D123.B14 ; D123.B14 266.7,61.77 ; D123.B14 266.7,60.15 ; D123.B14 267.51,60.96 ; 345.44,392.89 D116.A2 ; D116.A2 345.44,394.51 ; D116.A2 344.63,393.7 ; D116.A2 346.25,393.7 ; 342.9,88.19 D301.B15 ; D301.B15 342.9,89.61 ; D301.B15 343.61,88.9 ; D301.B15 342.19,88.9 ; D321.B5 243.84,89.61 ; D321.B5 243.84,88.19 ; D321.B5 244.55,88.9 ; D321.B5 243.13,88.9 ; 339.55,388.62 D116.B4 ; D116.B4 340.36,389.43 ; D116.B4 341.17,388.62 ; D116.B4 340.36,387.81 ; 199.85,340.36 CSDPS429.C1 ; CSDPS429.C1 201.47,340.36 ; CSDPS429.C1 200.66,339.55 ; CSDPS429.C1 200.66,341.17 ; D301.A13 337.82,84.53 ; D301.A13 337.11,83.82 ; D301.A13 338.53,83.82 ; D109.B4 414.02,328.47 ; D109.B4 413.21,327.66 ; D109.B4 414.83,327.66 ; D109.B4 414.02,326.85 ; 175.26,72.85 D118.A7 ; D118.A7 174.45,73.66 ; D118.A7 175.26,74.47 ; D118.A7 176.07,73.66 ; 332.63,242.35 SITE2.G16 ; SITE2.G16 333.11,242.83 ; SITE2.G16 332.15,242.83 ; SITE2.G16 332.63,243.31 ; 88.9,39.83 D132.B2 ; D132.B2 88.09,40.64 ; D132.B2 88.9,41.45 ; D132.B2 89.71,40.64 ; 268.43,73.66 D122.A15 ; D122.A15 269.24,72.85 ; D122.A15 270.05,73.66 ; D122.A15 269.24,74.47 ; D127.A7 27.94,54.15 ; D127.A7 27.94,52.53 ; D127.A7 28.75,53.34 ; D127.A7 27.13,53.34 ; 192.23,378.46 D431.B4 ; D431.B4 193.04,379.27 ; D431.B4 193.04,377.65 ; D431.B4 193.85,378.46 ; 390.35,19.05 DPS1.C05 ; DPS1.C05 391.16,18.24 ; DPS1.C05 391.97,19.05 ; DPS1.C05 391.16,19.86 ; D110.A1 421.64,356.41 ; D110.A1 421.64,354.79 ; D110.A1 420.83,355.6 ; D110.A1 422.45,355.6 ; 264.16,52.53 D123.A13 ; D123.A13 263.35,53.34 ; D123.A13 264.97,53.34 ; D123.A13 264.16,54.15 ; 171.91,40.64 D120.B6 ; D120.B6 172.72,39.83 ; D120.B6 172.72,41.45 ; D120.B6 173.53,40.64 ; D115.B6 335.28,369.11 ; D115.B6 334.47,368.3 ; D115.B6 336.09,368.3 ; D115.B6 335.28,367.49 ; SITE1.G14 250.71,242.83 ; SITE1.G14 250.23,243.31 ; SITE1.G14 250.23,242.35 ; SITE1.G14 249.75,242.83 ; 332.33,247.45 SITE2.G11 ; SITE2.G11 331.85,247.93 ; SITE2.G11 332.81,247.93 ; SITE2.G11 332.33,248.41 ; 397.97,347.98 D110.B10 ; D110.B10 398.78,348.79 ; D110.B10 399.59,347.98 ; D110.B10 398.78,347.17 ; D118.A11 185.42,74.47 ; D118.A11 184.61,73.66 ; D118.A11 185.42,72.85 ; D118.A11 186.23,73.66 ; D129.B11 112.57,99.06 ; D129.B11 110.95,99.06 ; D129.B11 111.76,99.87 ; D129.B11 111.76,98.25 ; 403.05,353.06 D110.A8 ; D110.A8 403.86,353.87 ; D110.A8 403.86,352.25 ; D110.A8 404.67,353.06 ; 251.85,241.33 SITE1.G5 ; SITE1.G5 252.81,241.33 ; SITE1.G5 252.33,241.81 ; SITE1.G5 252.33,240.85 ; 193.04,39.83 D120.B14 ; D120.B14 193.85,40.64 ; D120.B14 192.23,40.64 ; D120.B14 193.04,41.45 ; D113.B15 313.23,330.2 ; D113.B15 312.42,331.01 ; D113.B15 312.42,329.39 ; D113.B15 311.61,330.2 ; D321.A3 239.47,83.82 ; D321.A3 238.76,84.53 ; D321.A3 238.76,83.11 ; D321.A3 238.05,83.82 ; D122.B6 246.38,82.09 ; D122.B6 247.19,81.28 ; D122.B6 245.57,81.28 ; D122.B6 246.38,80.47 ; D305.B10 404.57,91.44 ; D305.B10 403.15,91.44 ; D305.B10 403.86,92.15 ; D305.B10 403.86,90.73 ; D231.B2 198.93,368.3 ; D231.B2 197.31,368.3 ; D231.B2 198.12,367.49 ; D231.B2 198.12,369.11 ; 388.62,367.49 D111.B14 ; D111.B14 389.43,368.3 ; D111.B14 388.62,369.11 ; D111.B14 387.81,368.3 ; D118.B10 183.69,81.28 ; D118.B10 182.88,82.09 ; D118.B10 182.07,81.28 ; D118.B10 182.88,80.47 ; 340.36,392.89 D116.A4 ; D116.A4 341.17,393.7 ; D116.A4 340.36,394.51 ; D116.A4 339.55,393.7 ; 405.59,78.74 D106.B11 ; D106.B11 406.4,79.55 ; D106.B11 407.21,78.74 ; D106.B11 406.4,77.93 ; 32.21,99.06 D125.B9 ; D125.B9 33.02,99.87 ; D125.B9 33.02,98.25 ; D125.B9 33.83,99.06 ; D302.B11 332.74,69.29 ; D302.B11 332.03,68.58 ; D302.B11 333.45,68.58 ; D302.B11 332.74,67.87 ; 322.58,32.21 D104.A7 ; D104.A7 321.77,33.02 ; D104.A7 322.58,33.83 ; D104.A7 323.39,33.02 ; 110.95,38.1 D132.B11 ; D132.B11 111.76,37.29 ; D132.B11 112.57,38.1 ; D132.B11 111.76,38.91 ; D305.A11 406.4,84.53 ; D305.A11 407.11,83.82 ; D305.A11 406.4,83.11 ; D305.A11 405.69,83.82 ; 327.66,354.79 D114.A9 ; D114.A9 326.85,355.6 ; D114.A9 328.47,355.6 ; D114.A9 327.66,356.41 ; D317.A16 198.83,86.36 ; D317.A16 198.12,85.65 ; D317.A16 197.41,86.36 ; D317.A16 198.12,87.07 ; D127.A10 36.37,55.88 ; D127.A10 34.75,55.88 ; D127.A10 35.56,56.69 ; D127.A10 35.56,55.07 ; 316.69,33.02 D104.A5 ; D104.A5 317.5,33.83 ; D104.A5 318.31,33.02 ; D104.A5 317.5,32.21 ; D115.B10 325.12,369.11 ; D115.B10 325.12,367.49 ; D115.B10 325.93,368.3 ; D115.B10 324.31,368.3 ; D119.A16 198.12,56.69 ; D119.A16 198.12,55.07 ; D119.A16 197.31,55.88 ; D119.A16 198.93,55.88 ; 170.18,88.19 D317.B5 ; D317.B5 169.47,88.9 ; D317.B5 170.18,89.61 ; D317.B5 170.89,88.9 ; D124.A15 269.24,33.83 ; D124.A15 269.24,32.21 ; D124.A15 268.43,33.02 ; D124.A15 270.05,33.02 ; D132.B14 120.19,40.64 ; D132.B14 119.38,41.45 ; D132.B14 119.38,39.83 ; D132.B14 118.57,40.64 ; D124.A8 251.46,36.37 ; D124.A8 251.46,34.75 ; D124.A8 252.27,35.56 ; D124.A8 250.65,35.56 ; D108.A10 404.67,35.56 ; D108.A10 403.05,35.56 ; D108.A10 403.86,36.37 ; D108.A10 403.86,34.75 ; 392.99,86.36 D305.A6 ; D305.A6 393.7,87.07 ; D305.A6 393.7,85.65 ; D305.A6 394.41,86.36 ; D119.A2 163.37,55.88 ; D119.A2 162.56,55.07 ; D119.A2 162.56,56.69 ; D119.A2 161.75,55.88 ; DPS8.A11 176.07,415.29 ; DPS8.A11 175.26,414.48 ; DPS8.A11 175.26,416.1 ; DPS8.A11 174.45,415.29 ; D301.B3 313.13,88.9 ; D301.B3 312.42,88.19 ; D301.B3 311.71,88.9 ; D301.B3 312.42,89.61 ; D115.B13 317.5,371.65 ; D115.B13 316.69,370.84 ; D115.B13 317.5,370.03 ; D115.B13 318.31,370.84 ; 324.41,66.04 D302.A8 ; D302.A8 325.83,66.04 ; D302.A8 325.12,65.33 ; D302.A8 325.12,66.75 ; 307.34,62.79 D302.A1 ; D302.A1 306.63,63.5 ; D302.A1 307.34,64.21 ; D302.A1 308.05,63.5 ; 182.88,70.41 D318.B10 ; D318.B10 182.88,71.83 ; D318.B10 183.59,71.12 ; D318.B10 182.17,71.12 ; D131.A9 106.68,54.15 ; D131.A9 107.49,53.34 ; D131.A9 106.68,52.53 ; D131.A9 105.87,53.34 ; D126.B11 38.91,78.74 ; D126.B11 37.29,78.74 ; D126.B11 38.1,77.93 ; D126.B11 38.1,79.55 ; 332.74,72.85 D102.A11 ; D102.A11 331.93,73.66 ; D102.A11 332.74,74.47 ; D102.A11 333.55,73.66 ; 400.51,58.42 D107.B9 ; D107.B9 401.32,57.61 ; D107.B9 402.13,58.42 ; D107.B9 401.32,59.23 ; 316.69,58.42 D103.B5 ; D103.B5 317.5,59.23 ; D103.B5 317.5,57.61 ; D103.B5 318.31,58.42 ; 269.24,62.79 D322.A15 ; D322.A15 268.53,63.5 ; D322.A15 269.24,64.21 ; D322.A15 269.95,63.5 ; 401.32,77.93 D106.B9 ; D106.B9 401.32,79.55 ; D106.B9 402.13,78.74 ; D106.B9 400.51,78.74 ; 165.1,37.29 D120.B3 ; D120.B3 165.1,38.91 ; D120.B3 165.91,38.1 ; D120.B3 164.29,38.1 ; D131.B15 121.92,59.23 ; D131.B15 122.73,58.42 ; D131.B15 121.92,57.61 ; D131.B15 121.11,58.42 ; 12.7,93.17 D125.A1 ; D125.A1 13.51,93.98 ; D125.A1 11.89,93.98 ; D125.A1 12.7,94.79 ; 177.8,60.15 D119.B8 ; D119.B8 177.8,61.77 ; D119.B8 178.61,60.96 ; D119.B8 176.99,60.96 ; D122.B9 254.81,78.74 ; D122.B9 254,77.93 ; D122.B9 254,79.55 ; D122.B9 253.19,78.74 ; D103.B6 320.85,60.96 ; D103.B6 320.04,60.15 